# KiCad board FreeDSP_INTEGRA_QUAD_BASIC.kicad_pcb (continued)
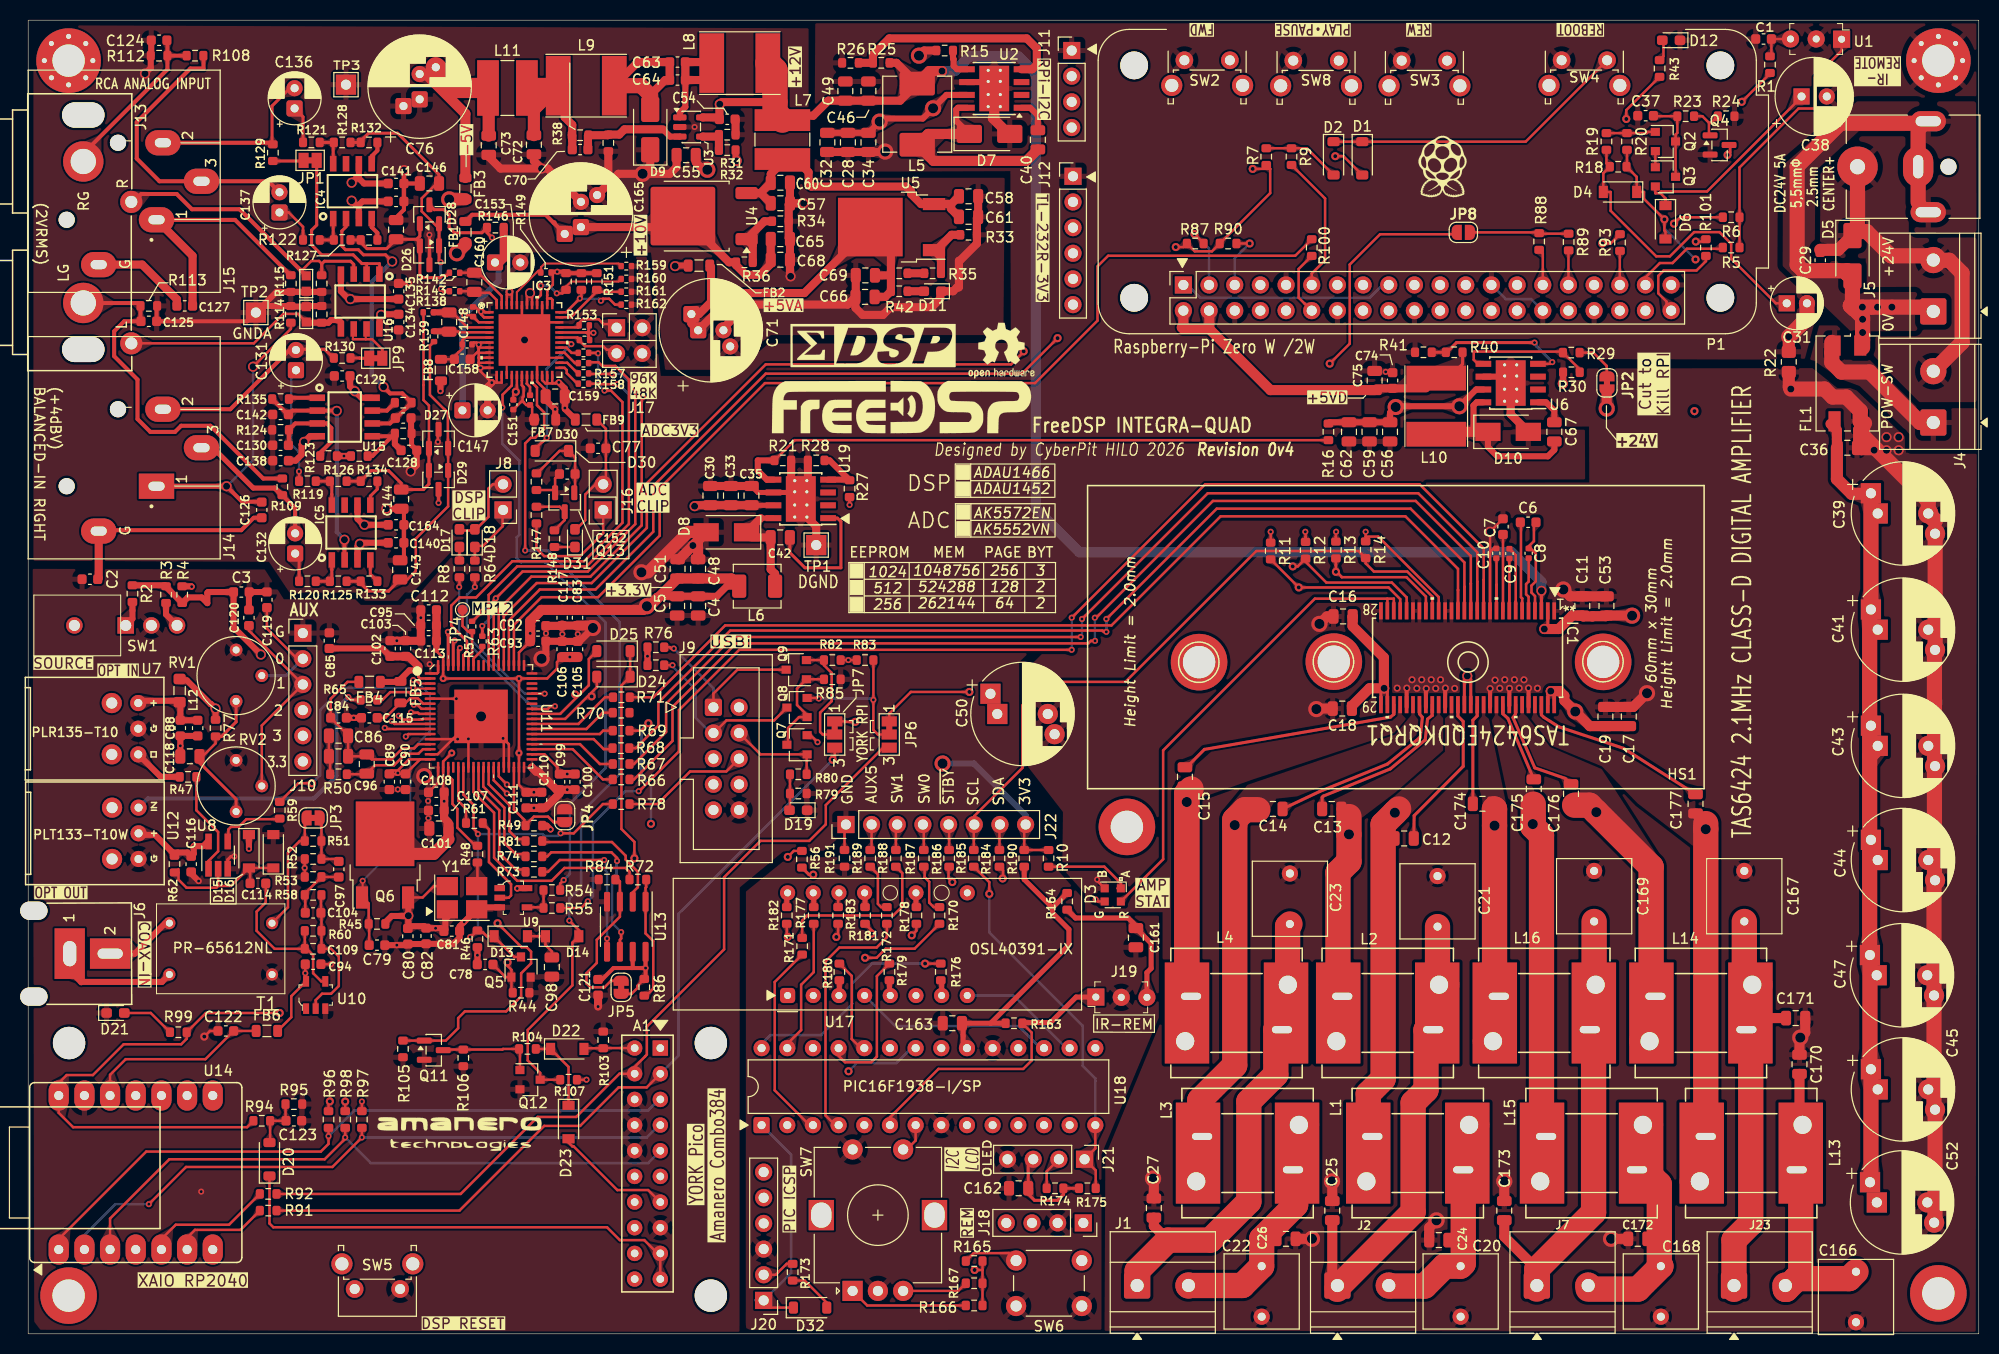
[diagram p0: board, top side]
## Routing (per net, layer and track width the routed paths; a pad name or vN(x,y) marks a point on that pad's centre or on a via; arc(x,y) is an arc through that point) (continued)
Net-(D12-A): length 2.1
  Top w0.25: R43.2 161.8,126.43 161.8,128.02
Net-(D13-A): length 4.1
  Top w0.25: C98.2 51.82,37.83 51.18,38.47 D14.1 D13.2
Net-(D15-A): length 15.2
  Top w0.25: D15.2 21.84,46.1 ; D15.2 21.84,46.1 ; D15.2 D16.1 ; 21.84,46.1 21.84,45.72 21.96,45.61 C114.2 ; 21.84,46.1 20.07,44.32 18.8,44.32 ; 18.8,44.32 18.62,44.15 15.67,44.15 14.87,44.94 14.87,45.66 ; 18.8,44.32 U8.2 ; R62.2 14.87,45.66 ; 14.87,45.66 14.87,45.98
Net-(D17-K): length 1.5
  Top w0.25: 42.67,77.98 R8.1
Net-(D18-K): length 6.7
  Top w0.25: R64.1 44.2,77.98 45.01,77.98 46.94,79.91 46.94,81.48 J8.1
Net-(D19-A): length 3.6
  Top w0.25: 75.44,51.82 75.38,51.88 R79.2 R80.1
Net-(D21-A): length 5.4
  Top w0.25: R99.2 12.13,31.75 9.4,31.75
Net-(D22-K): length 7.8
  Top w0.25: R104.1 D22.1 53.47,26.42 53.47,22.6
Net-(D24-K): length 61
  Top w0.25: v5(46.44,40.64) 48.83,38.25 49.33,38.25 49.76,37.82 49.76,36.66 48.78,35.68 48.78,33.39 47.29,31.91 43.21,31.91 42.55,31.24 42.55,30.24 41.32,29.02 Q11.1 37.09,29.02 37.08,29.02 ; D25.1 D24.1 58.7,64.16 58.7,49.96 59.98,48.68 v5(59.98,47.05)
  In2.Cu w0.25: v5(59.98,47.05) 58.65,45.72 51.51,45.72 46.44,40.65 v5(46.44,40.64)
Net-(D30-K): length 8.4
  Top w0.25: R145.1 50.35,85.15 52.58,87.38 D30.1 54.12,86.73 C152.1 54.12,83.42 54.04,83.35
Net-(D31-K): length 2.1
  Top w0.25: R148.2 53.99,77.86 54.1,77.98
Net-(D32-A): length 4.8
  Top w0.25: D32.2 79.02,3.07 76.82,5.27 R173.1
Net-(IC1-AREF): length 10.6
  Top w0.25: 149.09,72.27 149.09,71.53 149.09,72.27 ; 149.09,72.27 149.09,73.01 148.74,73.36 148.74,74.04 149.17,74.47 149.17,77.21 148.67,77.72 C8.1 148.46,77.92 148.98,78.45 148.98,80.11 C6.1
Net-(IC1-AVDD): length 7.8
  Top w0.25: 146.55,74.13 146.55,76.73 C9.2 ; 146.55,74.13 146.55,71.53 146.55,74.13
Net-(IC1-AVSS): length 7.4
  Top w0.25: 147.19,72.47 147.19,71.53 147.19,72.47 ; 147.19,72.47 147.19,77.07 C9.1
Net-(IC1-BST_1M): length 22.7
  Top w0.3: C15.2 114.62,56.07 116.38,57.84 134.8,61.04 135.1,61.29 135.13,61.32 135.13,62.25 IC1.31
Net-(IC1-BST_1P): length 18.8
  Top w0.3: C14.1 127.79,53.67 134.49,56.39 137.36,58.72 137.74,59.08 137.95,61.01 137.67,61.34 IC1.35
Net-(IC1-BST_2M): length 16.7
  Top w0.3: IC1.37 138.91,61.21 138.91,61.19 138.46,60.83 138.23,58.78 134.77,55.91 128.14,53.21 128.03,53.1 C13.2
Net-(IC1-BST_2P): length 15.5
  Top w0.3: IC1.41 141.47,61.13 141.99,60.6 141.99,56.16 137.13,51.28 C12.1
Net-(IC1-BST_3M): length 10
  Top w0.3: C174.1 142.94,60.72 143.37,61.15 IC1.44
Net-(IC1-BST_3P): length 8.1
  Top w0.3: IC1.48 145.91,61.35 146.41,60.91 C175.1
Net-(IC1-BST_4M): length 11.2
  Top w0.3: 153.01,54.21 152.07,54.97 149.07,56.01 146.91,60.99 147.17,61.34 IC1.50
Net-(IC1-BST_4P): length 18.3
  Top w0.3: IC1.54 149.72,61.25 149.96,61.01 151.43,60.07 157.86,57.94 C177.1
Net-(IC1-OUT_1M): length 68
  Top w2.5: 115.06,53.91 114.63,53.48 v4(114.63,52.63) ; v4(114.63,52.63) 114.63,31.09 ; v4(114.63,52.63) 114.63,31.78 L4.1
  In2.Cu w3: L4.1 114.48,32.82 L4.1 115.06,52.2 v4(114.63,52.63)
Net-(IC1-OUT_1P): length 74.5
  Top w0.3: 122.36,52.13 122.36,51.94
  Top w2.5: 115.75,17.65 116,17.91 116,22.41 115.93,22.48 115.93,23.11 119.38,26.57 v4(119.38,50.34) 119.38,50.86 120.39,51.87 121.67,51.87
  In2.Cu w2.5: L3.1 115.57,18.95 L3.1 116.15,24.56 119.38,27.79 v4(119.38,50.34)
Net-(IC1-OUT_2M): length 42.6
  Top w1: 130.68,51.19 C13.1
  Top w2.5: 130.68,51.19 v4(130.68,49.43) 130.68,46.74 129.59,45.65 129.59,31.14
  In2.Cu w3: L2.1 129.44,32.82 L2.1 130.02,48.76 v4(130.68,49.43)
Net-(IC1-OUT_2P): length 73.3
  Top w2.5: 135.6,51.94 v4(135.22,51.57) 134.06,50.4 134.06,25.22 132.59,23.75 132.59,17.63
  In2.Cu w2.5: L1.1 132.41,18.95 L1.1 132.99,26.51 133.96,27.48 133.96,42.16 135.28,43.48 135.28,51.51 v4(135.22,51.57)
Net-(IC1-OUT_3M): length 42.5
  Top w2.5: 145.09,31.24 v4(145.09,50.29) 145.09,51.93 145.07,51.94
  In2.Cu w3: L16.1 144.93,32.82 L16.1 145.51,49.87 v4(145.09,50.29)
Net-(IC1-OUT_3P): length 71
  Top w2.5: 149.79,18.03 149.73,18.09 149.73,49.35 148.87,50.22 v4(148.87,50.44) 148.87,50.77 148.92,50.83 148.92,52.42
  In2.Cu w2.5: v4(148.87,50.44) 150.32,49 150.32,19.66 L15.1 149.61,18.95 L15.1
Net-(IC1-OUT_4M): length 50.1
  Top w2.5: 160.58,31.5 160.58,46.2 v4(155.16,51.63) 154.47,52.31 153.01,52.31
  In2.Cu w2.5: v4(155.16,51.63) 160.99,45.8 160.99,33.42 L14.1 160.43,32.82 L14.1
Net-(IC1-OUT_4P): length 67.4
  Top w1: 165.98,50.49 C177.2
  Top w2.5: 165.98,19.61 v4(165.98,49.94) 165.98,50.49
  In2.Cu w2.5: L13.1 165.4,18.95 L13.1 v4(165.98,49.94)
Net-(IC1-VCOM): length 9.6
  Top w0.25: 147.82,72.26 147.82,71.53 147.82,72.26 ; 147.82,72.26 147.82,72.77 147.83,72.77 147.7,72.9 147.7,80 147.64,80.06 C6.2
Net-(IC1-VREG): length 6.1
  Top w0.25: 148.46,72.23 148.46,72.94 148.21,73.19 148.21,74.19 148.46,74.45 C8.2 ; 148.46,72.23 148.46,71.53 148.46,72.23
Net-(IC3-AIN1N): length 4.5
  Top w0.25: IC3.48 46.35,102.31 45.64,103.02 44.24,103.02 C160.1 43.76,103.11 43.7,103.17 42.7,103.17 R143.2
Net-(IC3-AIN1P): length 6.1
  Top w0.25: 46.85,101.8 46.85,102.7 44.41,105.14 44.27,105.14 C160.2 42.71,105.01 R142.2
Net-(IC3-AIN2N): length 6.2
  Top w0.25: IC3.4 43.45,99.6 41.98,101.08 C148.1 41.63,101.1
  Top w0.6: R138.2 41.64,101.09 C148.1
Net-(IC3-AIN2P): length 5.8
  Top w0.25: 45.64,99.1 45.64,99.11 42.65,99.11 42.57,99.19 41.75,99.19 41.74,99.18 41.66,99.18 41.66,99.26 41.55,99.36 ; 45.64,99.1 IC3.5 45.64,99.1
  Top w0.6: R139.2 41.62,99.21 41.66,99.18
Net-(IC3-AVDD): length 6.6
  Top w0.25: C154.1 42.95,98.33 43.23,98.6 IC3.6 ; C154.1 42.98,97.89 42.98,97.51 42.62,97.16 42.6,97.16 42.1,96.66 42.1,96.52 C158.1 40.85,96.44 FB8.2 ; C154.1 42.9,97.97 42.9,98.09
Net-(IC3-BICK/DCLK): length 2.7
  Top w0.25: R158.1 54.33,94.03 53.29,95.07 53.29,95.38 53.07,95.6 IC3.25 52.56,95.6
Net-(IC3-CKS0/SDA/CDTI): length 6.7
  Top w0.25: R154.2 54.46,98.35 54.43,98.37 54.43,98.5 ; 54.43,98.5 54.43,98.4 55.09,97.74 56.9,97.74 57.25,97.39 57.86,97.39 J17.3 ; 54.43,98.5 54.38,98.55 54.38,98.55 ; 54.43,98.5 54.38,98.55 ; 54.38,98.55 54.33,98.6 IC3.31 52.56,98.6
Net-(IC3-CKS2/SCL/CCLK): length 6.6
  Top w0.25: 52.56,99.6 IC3.33 54.41,99.6 54.43,99.61 54.43,99.72 R153.2 ; R153.2 54.43,99.87 54.43,99.95 54.89,100.41 56.44,100.41 56.92,99.93 57.86,99.93 J17.1 ; R153.2 54.49,99.78
Net-(IC3-HPFE/DCKS): length 13.3
  Top w0.2: R159.1 58.42,105.92 51.1,105.92 50.75,105.56 50.75,105.06 R149.2 50.55,105.2 50.46,105.2 48.35,103.09 48.35,101.8
Net-(IC3-LRCK/DSDOL1): length 2.3
  Top w0.25: R157.1 54.38,95.05 53.33,96.1 52.56,96.1
Net-(IC3-SD/PMOD): length 8
  Top w0.25: R152.2 54.74,102.62 v1(54.59,102.46) 53.22,101.1 IC3.36 52.56,101.1 ; v1(56.67,102.23) 56.87,102.44 57.48,102.44 57.53,102.39 58.06,101.85 R162.1
  Bottom w0.25: v1(56.67,102.23) 56.46,102.44 54.61,102.44 v1(54.59,102.46)
Net-(IC3-SDTO1): length 2.3
  Top w0.25: R156.1 54.1,96.06 53.07,97.1 IC3.28 52.56,97.1
Net-(IC3-SDTO2): length 2.1
  Top w0.25: 52.56,97.6 53.25,97.6 53.77,97.08 R155.1
Net-(IC3-SLOW/DCKB): length 7.4
  Top w0.25: 52.56,100.6 53.71,100.6 56.26,103.15 R151.2 56.45,103.12 R161.1
Net-(IC3-TDM1): length 11.1
  Top w0.2: 53.21,103.63 53.72,104.14 58.42,104.14 58.54,104.27
  Top w0.25: 58.54,104.27 R160.1 ; v1(50.72,103.73) 50.72,102.79 50.55,102.62 50.35,102.42 IC3.40 ; 53.21,103.63 R150.2 52.87,102.97 v1(52.3,102.97)
  Bottom w0.25: v1(50.72,103.73) 51.54,103.73 v1(52.3,102.97)
Net-(IC3-VDD18): length 2.2
  Top w0.25: C157.1 49.66,93.7 49.33,94.03 49.35,94.06 IC3.19
Net-(IC3-VREFH1): length 32.6
  Top w0.25: 45.65,100.1 44.59,100.1 C155.1 43.87,100.81 v1(43.15,100.81)
  Top w0.8: R146.1 47.05,106.43 46.64,106.02 46.23,106.02
  Bottom w0.25: 43.15,100.94 v1(43.15,100.81) 43.15,91.58 C147.1
  Bottom w0.6: 46.33,105.92 46.38,105.92 46.54,105.76 46.54,104.18 42.97,100.6 C147.1
Net-(IC4-IN+): length 3.5
  Top w0.3: R121.2 R128.1 30.18,117.84 30.18,115.79
Net-(IC4-IN-): length 3.5
  Top w0.3: R122.2 R127.2 30.18,108.32 IC4.1
Net-(IC4-OUT+): length 2.3
  Top w0.25: R131.2 34.55,108.25
  Top w0.4: IC4.4 33.99,109.52 34.55,108.96 34.55,108.25
Net-(IC4-OUT-): length 2.3
  Top w0.25: R132.1 34.55,117.91
  Top w0.4: 33.99,115.79 33.99,116.54 34.55,117.1 34.55,117.91
Net-(IC5-IN+): length 4.9
  Top w0.25: IC5.8 30.05,83.1 30.05,83.1 ; R126.1 29.86,84.38
  Top w0.3: 30.05,82.01 30.05,84.19 R126.1 R119.2 28.46,84.38
Net-(IC5-IN-): length 4.6
  Top w0.25: IC5.1 30.05,75.63 30.05,75.62 ; R125.2 29.86,74.47
  Top w0.3: 30.05,76.59 30.05,74.66 R125.2 R120.2 28.46,74.47
Net-(IC5-OUT+): length 3.6
  Top w0.25: 33.86,75.88 IC5.4 ; 34.2,74.82 R133.2
  Top w0.3: IC5.4 33.86,75.17 34.55,74.47
Net-(IC5-OUT-): length 3.1
  Top w0.25: 34.55,84.37 R134.1 ; 33.86,82.46 IC5.5
  Top w0.3: 34.55,84.38 34.54,84.37 34.54,83.59 33.86,82.9 IC5.5
Net-(IC5-VCOM): length 22.3
  Top w0.25: 31.3,76.6 IC5.2
  Top w0.4: v2(30.53,91.34) 30.5,91.36 26.13,91.36 C142.1 25.67,90.98 R135.1 ; IC5.2 31.29,76.61 v2(31.29,78.59)
  Bottom w0.4: v2(30.53,91.34) 30.53,79.35 v2(31.29,78.59)
Net-(J1-Pin_1): length 88.9
  Top w1: C27.2 111.38,10.67 112.78,9.27
  Top w2.5: 124.43,31.09 123.44,30.1 123.44,25.65 120.78,22.99 120.78,13.08 116.97,9.27 112.78,9.27 109.72,6.22 J1.1 ; 124.61,33.88 124.61,40.32 C23.2
  In2.Cu w2.5: J1.1 109.72,5.58 113.23,9.09 117.4,9.09 120.6,12.29 120.6,23.72 124.06,27.18 L4.2 124.06,33.96 L4.2 124.84,34.75 C23.2
Net-(J1-Pin_2): length 34.4
  Top w2.5: 125.15,16 125.4,15.75 125.4,12.75 122.05,9.4 C22.2 120.14,4.78 J1.2
  In2.Cu w2.5: L3.2 125.15,20.1 L3.2 125.17,16.21 125.17,11.63 122.05,8.51 C22.2
Net-(J2-Pin_1): length 84
  Top w1: C25.2 129.03,4.9 129.53,4.4
  Top w2.5: C21.2 139.45,34.06 139.57,33.93 ; 129.53,4.4 129.53,4.57 137.03,12.06 137.03,22.86 138.3,24.13 138.3,30.05 139.39,31.14
  In2.Cu w2.5: C21.2 139.45,34.7 L2.2 139.02,33.96 L2.2 137.31,28.39 137.31,12.55 J2.1
Net-(J2-Pin_2): length 39.2
  Top w2.5: 141.99,15.98 141.99,6.95 C20.2 140.14,6.69 138.18,4.72 134.94,4.72
  In2.Cu w2.5: J2.2 139.82,4.78 C20.2 141.73,15.97 L1.2 141.99,20.1 L1.2
Net-(J7-Pin_1): length 80.7
  Top w1: 149.27,6.4 146.05,9.62 C173.2
  Top w2.5: 154.89,31.24 154.89,12.01 149.27,6.4 149.27,4.42 ; 155.07,34.04 154.94,34.16 C169.2
  In2.Cu w2.5: J7.1 149.28,6.73 154.51,11.97 L16.2 154.51,33.96 L16.2 154.94,34.7 C169.2
Net-(J7-Pin_2): length 46.8
  Top w2.5: 159.19,16.38 159.8,16.38 161.39,14.79 161.39,6.84 C168.2 159.28,4.42 154.35,4.42
  In2.Cu w2.5: C168.2 156.27,6.69 J7.2 156.01,4.78 159.87,8.64 159.72,8.79 159.72,13.46 159.19,13.99 L15.2 159.19,20.1 L15.2
Net-(J9-P4): length 9.6
  Top w0.25: J9.4 72.46,57.34 Q7.1 77.03,57.3 R80.2
Net-(J9-P6): length 12.7
  Top w0.25: J9.6 69.07,55.65 65.49,55.65 62.99,53.15 62.99,53.14 62.28,52.43 R78.1
Net-(J12-Pin_2): length 11.3
  In2.Cu w0.25: J12.2 101.96,110.59 101.96,103.28 J12.6
Net-(J13A-Ext1): length 17.4
  Top w0.4: R112.1 13.78,127.97 C124.2 ; R112.1 13.78,125.13 5.45,116.81 J13.2 ; R112.1 R108.2
Net-(J13A-In1): length 30.2
  Top w0.25: 27.03,105.19 28.01,106.17 28.78,106.17 29.04,105.91 R117.1
  Top w0.3: R117.1 29.06,104.78 29.06,105.89 29.31,106.15 31.9,106.15 32.21,105.84 U16.3
  Top w0.4: J13.1 10.42,112.02 11.2,112.8 14.7,112.8 16.21,111.29 20.92,111.29 RV4.1
Net-(J13B-Ext2): length 37.3
  Top w0.4: J13.4 5.47,102.01 10.83,102.01 R113.1 11.11,100.25 C125.2 9.5,100.2 8.51,99.21 8.51,96.75 10.82,94.44 10.82,90.53 12.09,89.26 14.53,89.26 15.14,89.87 18.03,89.87 23.25,84.64 R109.2
Net-(J13B-In2): length 23.2
  Top w0.25: 27.51,100.13 26.7,100.94 25.25,100.94 22.33,98.02 J13.3
  Top w0.6: U16.5 30.94,100.1 30.73,100.3 30.53,100.3 30.5,100.33 29.97,100.33 29.71,100.06 R116.1 27.58,100.06 27.51,100.13
Net-(J16-Pin_1): length 12.6
  Top w0.25: R147.2 50.29,77.72 51.05,76.96 54.61,76.96 56.9,79.25 J16.1
Net-(J19-Pin_3): length 15.3
  Top w0.5: J19.3 110.69,35.75 111.11,36.17 111.11,38.64 C161.1 109.6,40.39 108.84,41.15 103.63,41.15 R164.2
Net-(J23-Pin_1): length 73.9
  Top w1: 170.38,31.5 170.63,31.24 173.93,31.24
  Top w2.5: 170.56,34.29 169.8,35.05 C167.2 ; 169.98,29.85 170.43,29.39 170.43,10.92 168.78,9.27 168.78,4.4
  In2.Cu w2.5: C167.2 169.8,35.33 L14.2 170.01,33.96 L14.2 170.01,10.55 168.78,9.32 J23.1
Net-(J23-Pin_2): length 54.1
  Top w1: 175.56,20.75 175.26,21.06 C170.2
  Top w2.5: 175.56,20.75 175.39,20.57 175.39,5.84 173.94,4.4 173.86,4.4 174.92,5.46 180.17,5.46 C166.2
  In2.Cu w2.5: J23.2 174.98,5.9 L13.2 174.98,20.1 L13.2 ; J23.2 173.86,4.85 ; J23.2 175.23,6.14 C166.2
Net-(JP1-Pad2): length 3.1
  Top w0.3: JP1.2 27.19,116.07 R129.2
Net-(JP2-A): length 4.3
  Top w0.25: JP2.1 156.19,94.78 156.19,95.78 154.86,97.1 R29.1
Net-(JP3-A): length 6
  Top w0.25: JP3.1 29.02,50.88 R51.2 R52.1 30.49,46.99 30.73,46.75
Net-(JP3-B): length 12.1
  Top w0.25: T1.4 25.7,42.21 25.7,47.6 26.87,48.77 R51.1 27.37,50.88 JP3.2
Net-(JP4-B): length 10.8
  Top w0.25: JP4.2 51.98,50.63 51.44,51.18 50.04,51.18 49.21,50.36 ; U11.34 48.06,51.89 49.09,50.86 49.09,50.65 49.21,50.52 49.21,50.36 ; 49.21,50.36 49.21,50.29 49.21,50.36
Net-(JP8-B): length 9.9
  Top w0.25: JP8.2 149.43,109 149.55,108.87 R89.1 152.37,108.92
Net-(JP9-Pad2): length 1.9
  Top w0.3: R130.2 32.8,96.57 32.83,96.55 JP9.2
Net-(P1-Pin_12): length 6.5
  Top w0.25: P1.12 126.34,101.92 126.32,101.92 125.7,102.54 125.7,105.38 R100.1
Net-(P1-Pin_35): length 3.4
  Top w0.25: P1.35 157.48,107.16 R93.1
Net-(P1-Pin_40): length 9.8
  Top w0.25: R101.1 166,106.16 165.07,105.23 161.82,105.23 161.29,104.7 161.29,102.97 162.1,102.16 162.1,101.72 P1.40
Net-(Q2-B): length 4.9
  Top w0.25: R19.1 R20.2 160.15,118.83 160.27,118.95 Q2.1
Net-(Q2-C): length 8.5
  Top w0.25: C37.2 160.86,120.5 R23.2 163.18,118.85 163,118.68 Q2.3 Q3.3
Net-(Q2-E): length 1.6
  Top w0.25: Q3.1 Q2.2
Net-(Q4-G): length 4.1
  Top w0.25: R24.1 166.52,119.85 166.3,119.85 ; R23.1 165.65,120.5 166.3,119.85 ; 166.3,119.85 166.3,118.6
Net-(Q6-B): length 32
  Top w0.2: v1(33.1,44.83) 33.1,43.24 Q6.1 ; U11.3 38.69,64.35 38.34,64.7 v1(38.1,64.7)
  Top w0.25: 33.06,43.21 33.69,42.58 R45.1 33.74,40.51 C79.2
  Bottom w0.2: v1(38.1,64.7) 38.29,64.7 39.75,63.25 39.75,59.61 37.82,57.68 37.82,49.56 v1(33.1,44.83)
Net-(Q7-D): length 10.3
  Top w0.25: R85.2 78.74,64.78 77,64.78 76.07,63.85 76.07,62.23 77.07,61.23 Q8.1 76.27,61.03 75.18,59.94 75.18,58.4 Q7.3
Net-(Q11-D): length 9.7
  Top w0.25: Q12.1 48.66,28.12 R104.2 46.99,28.19 46.93,28.13 R106.1 41.13,28.13 Q11.3
Net-(Q13-D): length 5.3
  Top w0.25: R148.1 53.09,80.53 53.09,81.36 52.59,81.85 R147.1
Net-(R2-Pad2): length 3.4
  Top w0.25: 10.32,71.6 R2.2
  Top w0.6: R2.2 10.32,70.77 SW1.1
Net-(R35-Pad2): length 1.7
  Top w0.8: R37.2 R35.2
Net-(R47-Pad1): length 10.4
  Top w0.25: U8.1 17.85,46.8 18.8,47.75 18.8,49.66 16.64,51.81 R47.1
Net-(R59-Pad2): length 6.7
  Top w0.25: R59.2 24.83,50.93 21.59,50.93 20.83,50.17 20.07,50.17 19.81,49.91 19.81,48.79 U8.4
Net-(R118-Pad2): length 2.7
  Top w0.25: R118.2 36.23,92.09
  Top w0.4: R118.2 36.23,92.09 35.5,91.36 U15.7
Net-(R135-Pad2): length 2.9
  Top w0.4: 28.61,92.63 25.92,92.63 R135.2
Net-(SW1-4): length 2.7
  Top w0.6: R3.2 13.64,71.2 SW1.3
Net-(U1-OUT): length 25.8
  Top w0.25: U1.1 179.43,126.99 176.78,124.35 176.78,121.26 175.16,121.26 169.32,115.43 R6.1 R5.2
Net-(U1-VS): length 3.7
  Top w0.25: 174.37,128.14 C1.1 172.48,126.57 R1.2
Net-(U2-BOOT): length 3.4
  Top w0.6: U2.1 99.14,121.34 99.9,120.57 C40.1
Net-(U2-EN): length 3
  Top w0.6: R15.2 91.5,126.21 91.57,126.14 91.57,125.48 91.9,125.15 92.88,125.15
Net-(U2-VSENSE): length 22.8
  Top w0.8: R26.1 R25.2 83.58,126.58 85.2,128.2 98.8,128.2 99.8,127.2 99.8,125.6 99.35,125.15 U2.4
Net-(U3-NFB): length 11
  Top w0.6: U3.3 63.52,118.48 62.8,119.2
  Top w0.8: 62.8,119.2 59,119.2 58.48,118.68 57.4,118.68 57.34,118.62 R38.2 55.38,118.57 55.38,117.2
Net-(U3-SW): length 13.1
  Top w0.6: C64.2 65.02,121.41 64.48,120.86 U3.1
  Top w0.8: C64.2 67.46,124.08 68.34,124.97 67.46,125.86 C63.2 C64.2
Net-(U3-~{SHDN}): length 3.2
  Top w0.8: U3.4 68.16,118.48 R32.2 R31.1
Net-(U4-ADJ): length 5.8
  Top w0.8: R36.2 71.69,107.72 U4.1 72.85,110.11 R34.2
Net-(U4-VI): length 28.2
  Top w0.8: 91.33,111.81 U5.3 88.35,111.81 87.38,112.78 87.38,113.03 86.87,113.54 77.47,113.54 77.22,113.79 77.22,114.96 76.76,115.42 74.12,115.42 73.47,114.78 C60.1 72.47,112.91 72.47,112.89 ; 91.33,111.81 91.33,111.31 C61.1 ; 91.33,111.81 C58.1 ; U4.3 72.47,112.89 ; 72.47,112.89 C57.1
Net-(U4-VO): length 37.5
  Top w0.4: C165.1 52.07,109.88 52.07,109.98 51.96,109.98 51.2,110.74 43.93,110.74 FB1.1
  Top w0.8: C65.1 C68.1 73.47,105.88 72.4,104.8 71,104.8 70.04,105.76 R36.1 69.35,106.04 U4.2 63.69,109.53 C165.1
  In2.Cu w0.25: C165.1 54.02,108.85 C165.1
Net-(U5-ADJ): length 5.8
  Top w0.8: R35.1 90.31,106.56 U5.1 89.84,107.25 91.36,108.76 R33.2
Net-(U5-VO): length 39.9
  Top w0.8: R37.1 85.16,104.75 C69.1 ; R37.1 85.36,107.49 83.32,109.53 76.8,103 69.98,103 C71.1 65.62,99.98 C71.1 66.37,100.91 67.56,102.11 67.56,105.59 FB2.1 ; R37.1 R42.1 84.8,102.62 C66.1
Net-(U6-BOOT): length 3.1
  Top w0.6: U6.1 150.18,92.18 151,91.36 C67.1
Net-(U6-EN): length 13.4
  Top w0.25: R30.1 153.52,95.44 R29.2 151.75,97.21 143.08,97.21 143.03,97.16 143.03,96.39 143.43,95.99 U6.5
Net-(U6-VSENSE): length 14.7
  Top w0.25: v1(150.8,96.16) 150.63,95.99 U6.4
  Top w0.3: R41.1 R40.2 140.37,97.14 141.33,98.09 v1(149.05,98.09)
  Bottom w0.3: v1(149.05,98.09) 149.2,97.94 149.2,97.76 v1(150.8,96.16)
Net-(U7-RX): length 5
  Top w0.6: R47.2 13.12,55.12 U7.3
Net-(U7-VCC): length 7.8
  Top w0.25: U7.1 10.89,62.42
  Top w0.6: C87.1 C88.1 15.06,62.43 14.84,62.65 11.12,62.65 10.89,62.42 U7.1
Net-(U9-A): length 9.5
  Top w0.25: R61.1 45.59,49.92 45.59,46.69 47.78,44.5 47.78,43.38 47.55,43.15 U9.2
Net-(U9-Y): length 3.4
  Top w0.25: R54.1 R55.1 50.93,42.2 U9.4
Net-(U10-A): length 14
  Top w0.25: R58.2 28.97,43.38 28.97,41.66 29.02,41.61 R60.1 C109.2 29.97,38.1 30.73,37.34 30.73,34.42 29.97,33.66 29.08,33.66 28.45,33.02 U10.2
Net-(U10-Y): length 16.8
  Top w0.25: U10.4 29,34.88 28.19,35.69 28.19,37.47 27.56,38.1 C109.1 ; C109.1 R60.2 ; C109.1 24.38,38.1 22.61,39.88 22.61,41.78 23.51,42.69 C114.1
Net-(U11-AVDD): length 6.3
  Top w0.2: 37.01,62.36 36.98,62.36
  Top w0.25: C115.1 35.34,60.96 36.83,62.45 37.35,62.45 37.8,62.89 38.56,62.89 39.09,62.35 U11.7
Net-(U11-BCLK_IN2): length 2.2
  Top w0.25: R63.2 44.93,67.69 44.06,66.82 U11.65
Net-(U11-BCLK_OUT0): length 8.8
  Top w0.25: 57.85,56.39 56.57,56.39 54.6,58.35 U11.40
Net-(U11-BCLK_OUT1): length 8.7
  Top w0.25: 57.85,61.47 56.84,61.47 55.23,59.85 U11.43
Net-(U11-CLKOUT): length 5.8
  Top w0.25: R61.2 43.32,51.97 42.56,52.73 U11.23
Net-(U11-LRCLK_OUT0/MP4): length 9.2
  Top w0.25: U11.39 53.88,57.85 56.87,54.86 57.85,54.86
Net-(U11-LRCLK_OUT1/MP5): length 8.1
  Top w0.25: 57.85,59.69 56.9,59.69 56.56,59.35 U11.42
Net-(U11-MOSI_M/MP1): length 12.7
  Top w0.25: 49.21,45.72 48.99,45.95 48.24,45.95 46.61,47.57 46.61,51.82 44.56,53.86 U11.27
Net-(U11-PLL_FILT): length 9.3
  Top w0.25: U11.16 39.06,57.85 38.61,57.4 37.34,57.4 36.19,56.26 34.32,56.26 C96.1 33.44,55.37 R50.2
Net-(U11-PVDD): length 18.9
  Top w0.25: 32.73,64.52 31.6,64.52 29.93,62.85 C84.1 31.66,59.23 C86.2 C91.2 33.31,57.15 C96.2 33.99,56.85 35.94,56.85 37.03,57.94 38.19,57.94 38.61,58.35 U11.15
Net-(U11-SCL_M/SCLK_M/MP2): length 11
  Top w0.25: 45.05,56.05 U11.28 45.05,56.05 ; 45.05,56.05 45.03,56.04 45.03,54.15 47.12,52.07 47.12,48.59 48.24,47.47 48.99,47.47 49.21,47.24
Net-(U11-SDATA_OUT0): length 8.4
  Top w0.25: U11.41 55.96,58.85 56.95,57.86 57.72,57.86 R68.2
Net-(U11-SDATA_OUT1): length 9.1
  Top w0.25: U11.44 54.44,60.35 57.07,62.99 R71.2
Net-(U11-SPDIF_OUT): length 5.6
  Top w0.25: U11.5 37.85,63.35 37.7,63.5 35.81,63.5 35.05,62.74 R65.1
Net-(U11-SS_M/MP0): length 25.6
  Top w0.25: U11.26 44.06,53.6 46.1,51.56 46.1,47.12 48.39,44.83 51.79,44.83 53.06,46.1 59.12,46.1 59.5,45.72 R72.2
Net-(U11-XTALIN/MCLK): length 9.1
  Top w0.25: U11.21 41.56,55.24 41.99,54.81 41.99,52.43 42.47,51.94 42.47,50.09 44.26,48.3 R48.1
Net-(U13-MISO): length 14.1
  Top w0.25: R81.1 50.96,48.67 57.76,48.67 59.12,47.31 59.12,46.93 60.32,45.72 60.32,44.2 59.82,43.69 U13.2
Net-(U13-~{WP}): length 15.8
  Top w0.25: R84.1 58.36,44.96 58.55,44.77 U13.3 58.55,41.28 56.26,38.99 56.26,36.7 55.25,35.69 55.25,34.67 55.63,34.29 57.02,34.29 57.67,34.94 JP5.1
Net-(U14-3V3): length 18.3
  Top w0.25: U14.12 8.1,25.63 9.65,27.18 17.54,27.18 20.33,29.97 22.57,29.97
Net-(U14-D4/SDA): length 12.6
  Top w0.25: R92.1 19.88,10.79 14.61,10.79 13.33,9.53 13.33,8.49 U14.5
Net-(U14-D5/SCL): length 9.5
  Top w0.25: U14.6 15.72,9.5 16.51,10.29 21.02,10.29 R91.1
Net-(U15A-+): length 9.4
  Top w0.4: R123.2 28.89,87.19 30,88.29 30,89.64 29.54,90.09 26.43,90.09 R124.1 25.8,87.98 C138.1
Net-(U15B-+): length 7.9
  Top w0.4: R110.2 34.05,86.87 R111.1 36,88.82 U15.5
  Top w0.6: C128.1 36.28,88.04 R111.1
Net-(U16A--): length 21.7
  Top w0.2: 33.53,104.78 33.53,105.92 34.8,105.92 34.8,104.78
  Top w0.25: 33.48,105.91 34.75,105.91 U16.1 ; 33.48,105.91 33.47,105.92 ; 33.48,105.91 U16.2
  Top w0.3: JP1.1 28.55,109.73 28.04,109.22 28.04,107.77 29.03,106.78 32.16,106.78 33.02,105.92 33.53,105.92
Net-(U16B--): length 6.2
  Top w0.2: 32.13,99.44 32.13,98.42 ; 33.4,98.42 33.4,99.44
  Top w0.25: 32.13,98.42 34.04,98.42 35.04,97.42 JP9.1
Net-(U18-COM2/DACOUT/C2IN+/VREF-/AN2/RA2): length 25.2
  Top w0.25: R172.1 84.96,39.24 83.95,38.23 80.26,38.23 78.89,36.86 78.89,21.61 79.85,20.65 80.01,20.65
Net-(U18-RB0/AN12/CCP4/CPS0/SRI/INT/SEG0): length 21.5
  Top w0.25: R183.2 80.14,39.44 v5(79.97,39.27)
  In2.Cu w0.25: 90.17,28.27 90.01,28.27 86.57,31.71 86.57,35.4 85.31,36.66 85.31,40.2 84.91,40.61 81.3,40.61 v5(79.97,39.27)
Net-(U18-RB1/AN10/C12IN3-/P1C/CPS1/VLCD1): length 28.1
  Top w0.25: v5(75.16,39.27) 75.06,39.37 R182.2
  In2.Cu w0.25: v5(81.17,25.98) 80.36,26.79 77.21,26.79 76.38,27.63 76.38,29.16 73.05,32.49 73.05,37.17 v5(75.16,39.27)
  Bottom w0.25: v5(81.17,25.98) 81.98,26.79 85.91,26.79 87.39,28.27 87.63,28.27
Net-(U18-RB2/AN8/P1B/CPS2/VLCD2): length 13.3
  Top w0.25: v5(83.46,39.61) 83.46,39.92 R181.2
  In2.Cu w0.25: v5(83.46,39.61) 84.05,39.01 84.05,31.7 85.09,30.66 85.09,28.27
Net-(U18-RB3/AN9/C12IN2-/CPS3/CCP2/P2A/VLCD3): length 9.4
  Top w0.25: 82.55,28.27 82.39,28.27 81.48,29.18 81.48,35.42 R180.2
Net-(U18-RB4/AN11/P1D/CPS4/COM0): length 15.3
  Top w0.25: 80.01,28.27 U18.25 79.81,27.89 79.81,27.89 80.82,26.87 83.41,26.87 83.97,27.43 83.97,35.39 R179.2
Net-(U18-RB5/AN13/P2B/CCP3/P3A/CPS5/T1G/COM1): length 26.2
  Top w0.25: v5(87.42,39.43) 87.88,39.89 R178.2
  In2.Cu w0.25: 77.47,28.27 77.47,29.26 73.94,32.79 73.94,34.65 80.57,41.28 85.58,41.28 v5(87.42,39.43)
Net-(U18-SEG7/C12IN1-/AN1/RA1): length 19.6
  Top w0.25: 77.47,20.65 77.31,20.65 73.86,24.1 73.86,34.81 R171.1
Net-(U18-SEG15/COM3/C1IN+/VREF+/AN3/RA3): length 29.9
  Top w0.3: R56.1 77.25,45.44 v5(77.67,45.44)
  In1.Cu w0.3: v5(77.67,45.44) 77.7,45.47 78.08,45.47 78.89,44.65 78.89,42.72 84.1,37.52 84.1,22.02 U18.5
  Bottom w0.3: 82.6,20.78 U18.5
Net-(U18-VCAP/*SS/SEG12/SRNQ/C2OUT/C12IN0-/AN0/RA0): length 29.6
  Top w0.25: v5(82.8,37.21) 83.95,37.21 84.85,38.11 87.71,38.11 R170.1
  In1.Cu w0.25: v5(82.8,37.21) 81.2,37.21 78.94,34.95 78.94,27.13 75.11,23.29 U18.2
  Bottom w0.25: 74.77,20.65 74.93,20.65
Net-(U19-BOOT): length 13.2
  Top w0.3: C42.1 75.36,77.3 76.86,75.81 80.41,75.81 80.41,80.38 80.07,80.72 U19.1
Net-(U19-EN): length 60.2
  Top w0.25: R16.2 75.84,88.44 R21.1
  Top w0.6: U19.5 73.09,84.53 72.19,85.43 72.19,86.44 R21.1
Net-(U19-VSENSE): length 5.4
  Top w0.6: 81.21,84.53 R27.2 81.21,84.53 ; 81.21,84.53 U19.4 ; 81.21,84.53 79.3,86.44 R28.1
Net-(Y1-OUT): length 2.4
  Top w0.25: 44.45,46.65 44.45,44.38 Y1.3

## Copper pours and planes (outline as drawn; the poured copper is in the pictures)
+3.3V on In2.Cu: 55.63,91.44 55.75,88.39 49.23,85.39 45.72,85.39 45.69,82.22 38.3,72.75 25.25,72.75 23.44,75.54 0.38,75.56 0.38,0.38 70.46,0.3 70.46,44.15 74.68,47.7 101.6,47.7 101.65,52.58 109.83,60.55 109.93,65.53 117.65,73 134.57,72.96 144.78,83.41 160.53,83.36 171.55,94.59 171.5,129.54 86.74,129.08 86.74,125.73 98.96,125.68 98.96,106.43 86,94.08 62.87,94.11 58.67,91.44
+5VA on In2.Cu: 69.44,116.59 70.82,116.61 70.82,114.66 64.85,107.24 64.8,104.75 62.99,104.78 62.99,106.81 56.03,116.15 50.11,116.2 41.17,97.74 41.3,81.79 39.8,81.79 39.8,86.23 30.35,86.23 30.35,87.63 39.62,87.63 39.62,97.79 49.53,117.83 56.67,118.01 64.03,108.2 69.37,114.71
+10V on Bottom: 46.23,128.53 46.23,120.8 37.13,120.8 37.13,117.5 43.29,112.58 43.28,106.17 34.14,95.5 34.14,73.41 25.78,73.41 22.1,79 22.22,128.4
+24V on Bottom: 98.3,60.96 98.17,121.54 97.28,123.06 89.79,123.04 88.01,120.5 78.1,120.52 78.1,116.97 90.68,116.71 90.68,88.27 67.31,88.27 62.48,83.31 62.48,74.73 78.74,74.55 90.68,64.66 92.39,59.69 92.51,56.9 98.17,56.77
+24V on Bottom: 185.17,11.56 184.66,10.11 178.56,10.1 178.47,42.62 168.81,55.07 154.1,59.87 150.01,63.32 150.01,64.41 148.82,65.41 143.89,65.41 143,64.59 141.86,64.59 140.97,65.46 135.81,65.48 134.72,64.62 134.72,63.37 133.12,63.37 132.74,64.87 109.98,64.9 109.09,64.26 98.43,64.26 98.17,56.77 92.51,56.9 92.39,64.66 98.3,80.77 103.68,75.49 120.09,75.49 124.71,74.19 171.84,74.28 171.93,89.1 134.09,89.13 134.14,92.88 176.54,92.83 179.04,92.82 181.04,92.82 181.1,85.98 183.13,85.98 184.91,83.95 185.17,14.71
